# Altium PCB docking_station_with_STLink.PcbDoc
Units mil, origin at the board's own origin, x right, y up, seen from the top; angles counter-clockwise.
Board outline 3937 x 2280 mil, 2 copper layers (Top Layer, Bottom Layer); 53 components, 47 nets, 253 pads, 89 vias.
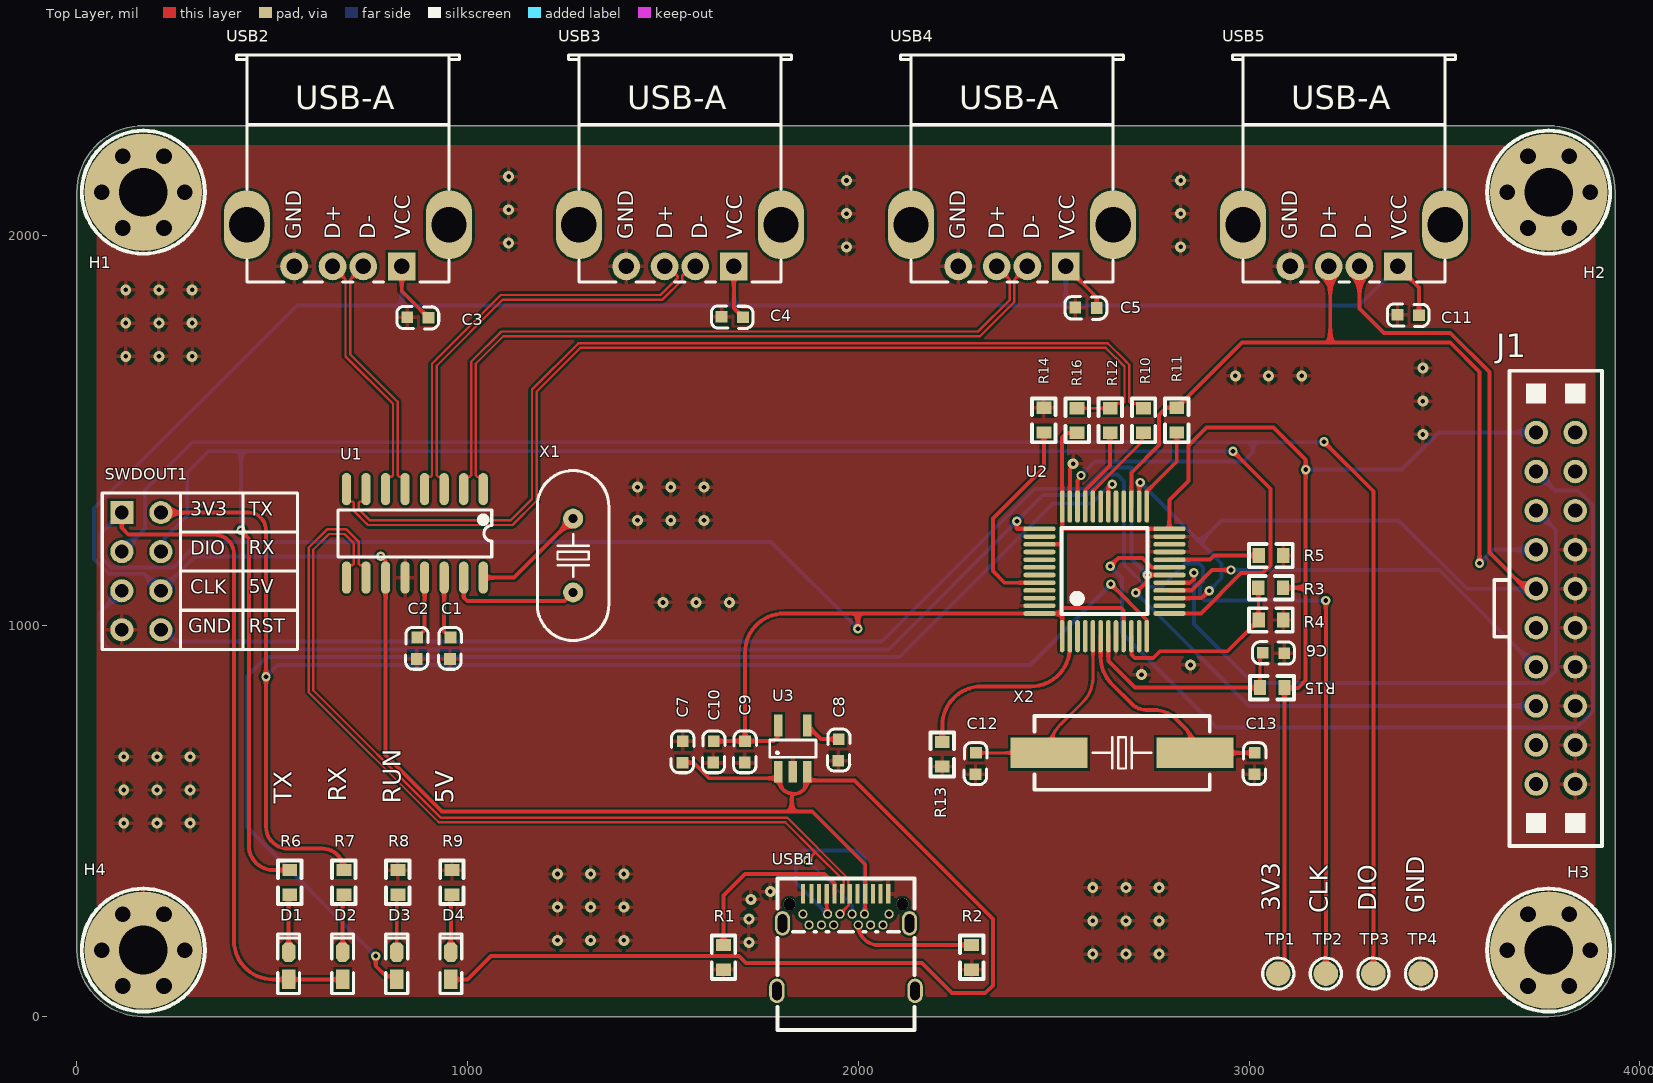
[diagram p0: Top Layer view]
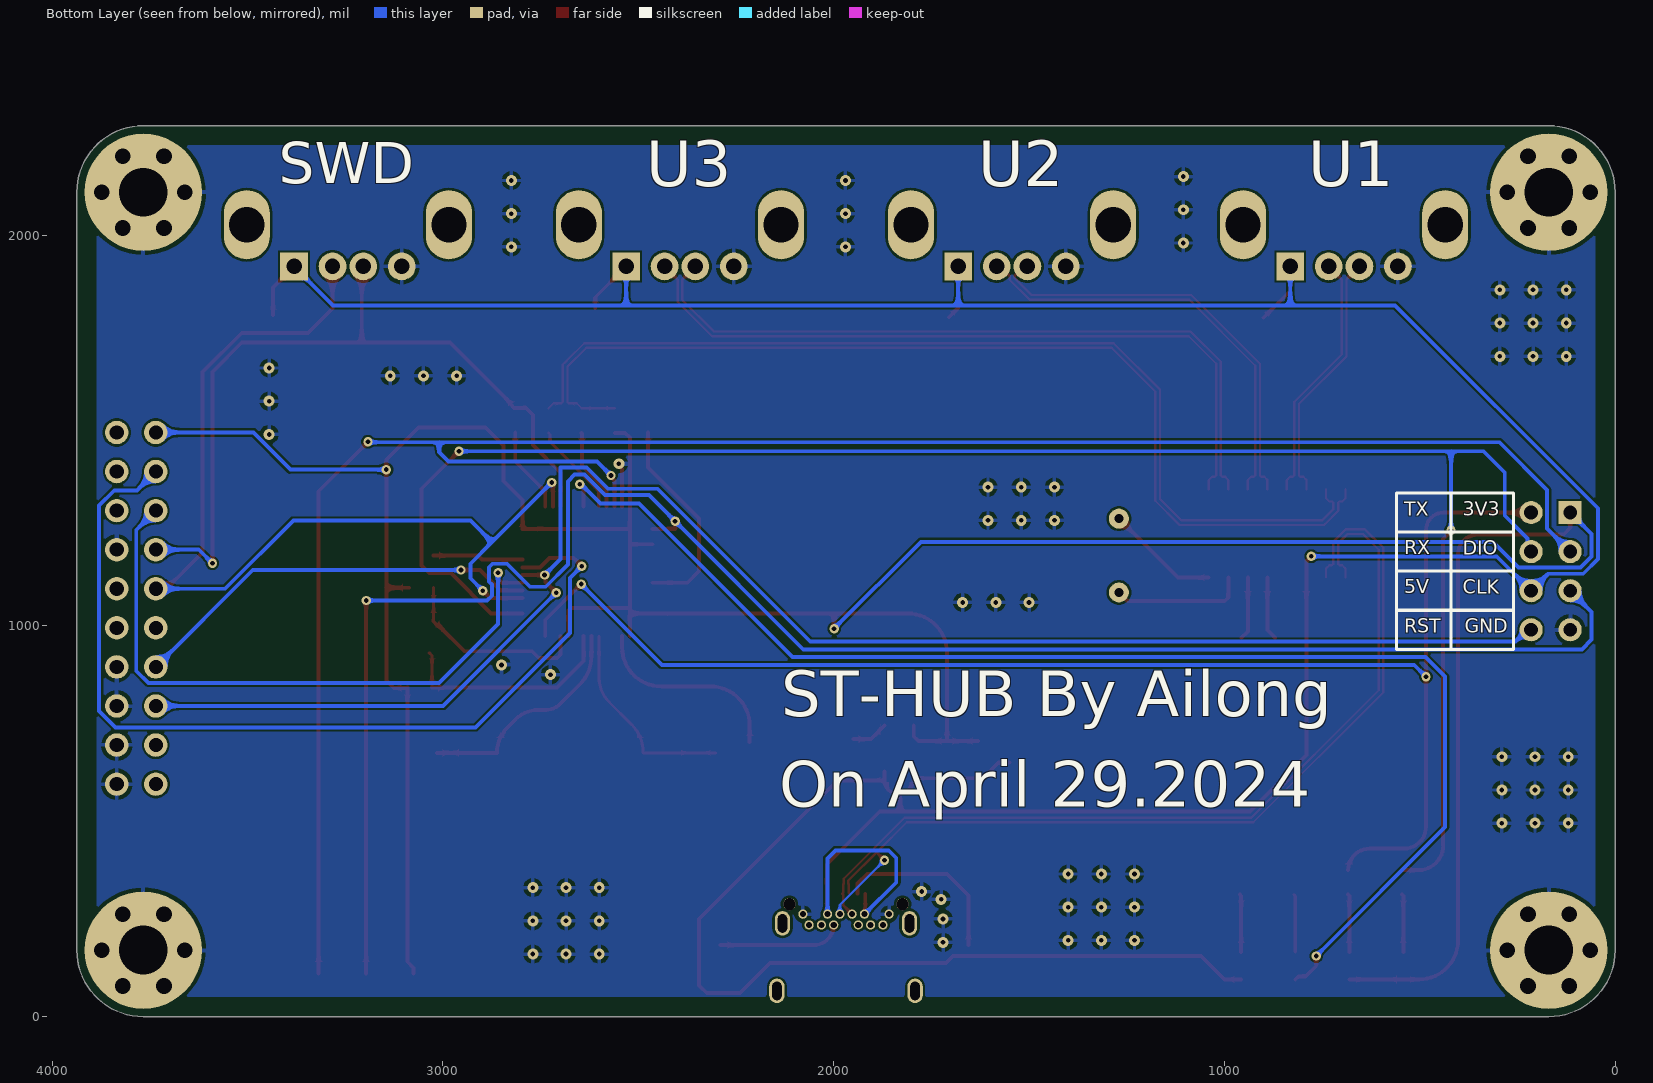
[diagram p1: Bottom Layer view, seen from below]

## Layer stack, top to bottom
Top Solder: solder mask 0.4, Solder Resist, Dk 3.5
Top Layer: signal copper 1.4
Dielectric 1: dielectric 12.6, FR-4, Dk 4.8
Bottom Layer: signal copper 1.4
Bottom Solder: solder mask 0.4, Solder Resist, Dk 3.5

## Board outline
0,170 0,2110 cw(c170,2110) 170,2280 3767,2280 cw(c3767,2110) 3937,2110 3937,170 cw(c3767,170) 3767,0 170,0 cw(c170,170)

## Design rules (kind name [scope] priority, off if disabled: settings)
BoardOutlineClearance [All] p1: gap=10 ignorepadtopadclearanceinfootprint=FALSE except(0: Arc-SplitContinuation Track-SplitContinuation SMDPad-SplitContinuation THPad-SplitContinuation Via-SplitContinuation Fill-SplitContinuation Poly-SplitContinuation Region-SplitContinuation Text-SplitContinuation; 50: Poly-OutlineEdge)
Clearance [All] p1: gap=6 ignorepadtopadclearanceinfootprint=FALSE
DiffPairsRouting [All] p1: maxlimit=10 minlimit=6 mostfreqgap=6 toplayer_minwidth=6 toplayer_maxwidth=6 toplayer_prefwidth=6 bottomlayer_minwidth=6 bottomlayer_maxwidth=6 bottomlayer_prefwidth=6 maxuncoupledlength=500
HoleSize [All] p1: absolutevalues=TRUE maxlimit=1000 minlimit=1 maxpercent=80.000 minpercent=20.000
MinimumSolderMaskSliver [All] p1: minsoldermaskwidth=0
PolygonConnect [All] p1: connectstyle=Relief reliefconductorwidth=10 reliefentries=4 polygonreliefangle="90 Angle" airgapwidth=10
RoutingVias [All] p1: holewidth=12 width=24 viastyle="Through Hole" minholewidth=10 minwidth=20 maxholewidth=28 maxwidth=50
SilkToSolderMaskClearance [IsPad] p1: minsilkscreentomaskgap=3 clearancetoexposedcopper=TRUE
SolderMaskExpansion [All] p1: expansion=4 istentingtop=FALSE
Width [All] p1: maxlimit=50 minlimit=8 preferedwidth=10
26 further rules are at their usual default settings.

## Classes and differential pairs
differential pair USB: +USB_P -USB_N
differential pair UD: +UD_P -UD_N
differential pair D4: +D4_P -D4_N
differential pair D3: +D3_P -D3_N
differential pair D2: +D2_P -D2_N

## Components (designator, comment, footprint, x,y, rotation, side; value= is the part's Value field where it differs from the comment)
C1 "10UF" 0603C 956.35,970.21 r270 top
C2 "10UF" 0603C 871.35,970.21 r270 top
C3 "100NF" 0603C 845,1790 r0 top
C4 "100NF" 0603C 1649.79,1791.35 r0 top
C5 "100NF" 0603C 2555,1815 r0 top
C6 "0.1uF" 0603C 3090.21,929.65 r180 top value=0.1u
C7 "1uF" 0603C 1551.35,705.21 r270 top
C8 "22nF" 0603C 1948.65,654.79 r90 top
C9 "10uF" 0603C 1708.65,649.85 r90 top
C10 "100nF" 0603C 1628.64,649.85 r90 top
C11 "100NF" 0603C 3379.79,1796.35 r0 top
C12 "20PF" 0603C 2301.35,675.21 r270 top
C13 "20PF" 0603C 3015.35,675.21 r270 top
D1 "color?" "LED 0603B" 542.26,130 r90 top
D2 "color?" "LED 0603B" 680.59,130 r90 top
D3 "color?" "LED 0603B" 818.92,130 r90 top
D4 "color?" "LED 0603B" 957.26,130 r90 top
H1 "固定孔" M3x4+6_N 170,2110 r0 top locked
H2 "固定孔" M3x4+6_N 3767,2110 r0 top locked
H3 "固定孔" M3x4+6_N 3767,170 r0 top locked
H4 "固定孔" M3x4+6_N 170,170 r0 top locked
J1 "JTAG" JLINK 3837.21,1045 r90 top
R1 "5.1K" 0603R 1655,182.99 r270 top value=22R
R2 "5.1K" 0603R 2290,182.99 r270 top value=22R
R3 "10K" 0603R 3087,1097.5 r180 top value=22R
R4 "10K" 0603R 3025,1015 r0 top value=22R
R5 "10K" 0603R 3025,1180 r0 top value=22R
R6 "680R" 0603R 545,375 r270 top value=22R
R7 "680R" 0603R 683.33,375 r270 top value=22R
R8 "2K" 0603R 821.67,375 r270 top value=22R
R9 "680R" 0603R 960,375 r270 top value=22R
R10 "22R" 0603R 2730,1557 r270 top
R11 "100R" 0603R 2815,1495 r90 top value=22R
R12 "22R" 0603R 2645,1557 r270 top
R13 "10K" 0603R 2215,640 r90 top value=22R
R14 "10K" 0603R 2475,1495 r90 top value=22R
R15 "10K" 0603R 3028,841.97 r0 top value=22R
R16 "1K5" 0603R 2560,1557 r270 top value=22R
SWDOUT1 "HDR2x4_2.54" "Pin HDR2X4/2.54mm-S" 115,1290 r270 top locked
TP1 "TEST" "TEST 1.6" 3075,110 r0 top
TP2 "TEST" "TEST 1.6" 3196.67,110 r0 top
TP3 "TEST" "TEST 1.6" 3318.33,110 r0 top
TP4 "TEST" "TEST 1.6" 3440,110 r0 top
U1 "SL2.1A" SOP16 1040,1350 r270 top
U2 "STM32F103CBT6" "LQFP48 7X7" 2630,1140 r0 top
U3 "RT9193" SOT23-5 1795,626.89 r0 top
USB1 "Type-C" TYPE-C-SMD_TYPE-C-24P-QCHT 1968.5,160 r0 top locked
USB2 "USB-A" USB-A/S_A 831.46,1920 r90 top
USB3 "USB-A" USB-A/S_A 1681.35,1920 r90 top
USB4 "USB-A" USB-A/S_A 2531.24,1920 r90 top
USB5 "USB-A" USB-A/S_A 3381.13,1920 r90 top
X1 "12MHZ" "OSC HC-49S" 1270,1180 r90 top
X2 "8MHZ" "OSC HC-49SMD" 2675,675 r0 top

## Footprints (in the part's own frame and the unit in brackets; to place one, negate y for a bottom-side part, rotate by r counter-clockwise, add the part's x,y. Pads: shape width x height; smd on the part's side, far side on the other; paste and mask are expansions set on the pad)
0603C [mil]
  rect 30x30 smd: 1(0.21,-0.35) 2(55.21,-1.35)
  silkscreen extent -26,-30 81,28, body extent -1,-15 62,17, height 12
0603R [mm]
  rect 0.8x0.965 smd: 1(0,0) 2(1.6,0)
  silkscreen extent -0.64,-0.76 2.21,0.76, body extent -0.04,-0.41 1.56,0.41, height 0.45
JLINK [mil]
  round 60 hole 36 paste+0 mask+2: 1(450,102.21) 2(450,2.21) 3(350,102.21) 4(350,2.21) 5(250,102.21) 6(250,2.21) 7(150,102.21) 9(50,102.21) 10(50,2.21) 11(-50,102.21) 12(-50,2.21) 13(-150,102.21) 14(-150,2.21) 14(150,2.21) 15(-250,102.21) 16(-250,2.21) 17(-350,102.21) 18(-350,2.21) 19(-450,102.21) 20(-450,2.21)
  silkscreen extent -608,-66 608,210
"LED 0603B" [mil] "蓝色0603LED"
  rect 50x35 smd: 1(-35,0.26)
  oct 50x35 smd: 2(35,0.26)
  silkscreen extent -71,-28 81,28, body extent -31,-16 32,16, height 24
"LQFP48 7X7" [mm]
  oval 0.3x2.1 smd: 1(-2.75,-4.227) 2(-2.25,-4.227) 3(-1.75,-4.227) 4(-1.25,-4.227) 5(-0.75,-4.227) 6(-0.25,-4.227) 7(0.25,-4.227) 8(0.75,-4.227) 9(1.25,-4.227) 10(1.75,-4.227) 11(2.25,-4.227) 12(2.75,-4.227) 25(2.75,4.202) 26(2.25,4.202) 27(1.75,4.202) 28(1.25,4.202) 29(0.75,4.202) 30(0.25,4.202) 31(-0.25,4.202) 32(-0.75,4.202) 33(-1.25,4.202) 34(-1.75,4.202) 35(-2.25,4.202) 36(-2.75,4.202)
  oval 2.1x0.3 smd: 13(4.227,-2.75) 14(4.227,-2.25) 15(4.227,-1.75) 16(4.227,-1.25) 17(4.227,-0.75) 18(4.227,-0.25) 19(4.227,0.25) 20(4.227,0.75) 21(4.227,1.25) 22(4.227,1.75) 23(4.227,2.25) 24(4.227,2.75) 37(-4.227,2.75) 38(-4.227,2.25) 39(-4.227,1.75) 40(-4.227,1.25) 41(-4.227,0.75) 42(-4.227,0.25) 43(-4.227,-0.25) 44(-4.227,-0.75) 45(-4.227,-1.25) 46(-4.227,-1.75) 47(-4.227,-2.25) 48(-4.227,-2.75)
  silkscreen extent -2.79,-2.79 2.79,2.79, body extent -4.51,-4.5 4.5,4.5, height 1.45
M3x4+6_N [mil] "M3铜柱，长：4mm，螺纹长：6mm"
  round 40 hole 40: 1(-106,0) 1(-53,-91.8) 1(-53,91.8) 1(53,-91.8) 1(53,91.8) 1(106,0)
  round 300 hole 125: 1(0,0)
  silkscreen extent -157,-157 157,157, body extent -106,-93 106,93, height 159
"OSC HC-49S" [mm]
  round 1.3 hole 0.6: 1(-2.4,0) 2(2.4,0)
  silkscreen extent -5.52,-2.32 5.52,2.33, body extent -5.53,-2.29 5.53,2.36, height 4.13
"OSC HC-49SMD" [mm]
  rect 5x2 smd: 1(-4.75,0) 2(4.75,0)
  silkscreen extent -5.7,-2.4 5.7,2.4, body extent -6.37,-2.41 6.63,2.24, height 4.63
"Pin HDR2X4/2.54mm-S" [mm] "Connector; Header; 4x2 Position"
  rect 1.5x1.5 hole 0.9: 1(0,0)
  round 1.5 hole 0.9: 2(0,2.54) 3(2.54,0) 4(2.54,2.54) 5(5.08,0) 6(5.08,2.54) 7(7.62,0) 8(7.62,2.54)
  silkscreen extent -1.27,-1.27 8.89,3.81, body extent -1.27,-1.27 8.89,3.81, height 7.58
SOP16 [mm]
  oval 2.1x0.6 smd: 1(0,0) 2(0,-1.27) 3(0,-2.54) 4(0,-3.81) 5(0,-5.08) 6(0,-6.35) 7(0,-7.62) 8(0,-8.89) 9(5.75,-8.89) 10(5.75,-7.62) 11(5.75,-6.35) 12(5.75,-5.08) 13(5.75,-3.81) 14(5.75,-2.54) 15(5.75,-1.27) 16(5.75,0)
  silkscreen extent 1.35,-9.44 4.4,0.56, body extent -0.04,-9.45 5.97,0.56, height 1.9
SOT23-5 [mm]
  rect 0.55x1.4 smd: 1(0,0) 2(0.95,0) 3(1.9,0) 4(1.9,3) 5(0,3)
  silkscreen extent -0.55,0.94 2.45,2.06, body extent -0.55,0.27 2.45,3.08, height 1.15
"TEST 1.6" [mm] "测试点1.6mm"
  round 1.6 smd paste-1.6: 1(0,0)
  silkscreen extent -1.01,-1.02 1.02,1.02
TYPE-C-SMD_TYPE-C-24P-QCHT [mm]
  oval 1x1.6 hole 0.6 slot 1.2 at 90 deg: 25(-4.49,-2.395) 25(-4.13,1.995) 25(4.13,1.995) 25(4.49,-2.395)
  rect 0.275x1.25 smd: A1(-2.79,3.92) A2(-2.25,3.92) A3(-1.75,3.92) A4(-1.25,3.92) A5(-0.75,3.92) A6(-0.25,3.92) A7(0.25,3.92) A8(0.75,3.92) A9(1.25,3.92) A10(1.75,3.92) A11(2.25,3.92) A12(2.75,3.92)
  round 0.6 hole 0.4: B1(2.8,2.595) B2(2.4,1.895) B3(1.6,1.895) B4(1.2,2.595) B5(0.8,1.895) B6(0.4,2.595) B7(-0.4,2.595) B8(-0.8,1.895) B9(-1.2,2.595) B10(-1.6,1.895) B11(-2.4,1.895) B12(-2.8,2.595)
  round 0.8 hole 0.8 unplated: ""(-3.675,3.246) ""(3.675,3.246)
  silkscreen extent -4.46,-4.93 4.46,4.93
USB-A/S_A [mm]
  oval 4.5x3 hole 2.3: 0(2.71,10.07) 0(2.71,-3.07)
  rect 1.8x1.8 hole 1: 1(0,0)
  round 1.8 hole 1: 2(0,2.5) 3(0,4.5) 4(0,7)
  silkscreen extent -1.01,-3.75 13.75,10.75, body extent -0.55,-3.81 13.76,10.87, height 6.8

## Part data
C1 C2 C3 C4 C5 C7 C8 C9 C10 C11 C12 C13: library part CAP, "无极性电容"
C6: library part 电容-0402, "Capacitor"
D1 D2 D3 D4: library part LED_0402, "LED", Type=0402
J1: library part "Pin HDR2X10"
R1 R2 R3 R4 R5 R6 R7 R8 R9 R10 R11 R12 R13 R14 R15 R16: library part 电阻-0402, "Resistor"
SWDOUT1: "Header"
TP1 TP2 TP3 TP4: "测试点", BOM名称=测试点, 联系卖家，免费查找封装=唯一出售店铺网址https://shop463601444.taobao.com
U1: "USB2.0扩展"
U2: "ARM Cortex-M3 32-bit MCU, 128 KB Flash, 20 KB Internal RAM, 37 I/Os, 48-pin LQFP, -40 to 85 degC, Tray", I/Os (High Current)=37, Operating Frequency(F) (Processor speed) (MHz)=72, Supplier Part Number 1=497-6288-ND, Supply Voltage(Vcc) min (V)=2, A/D Converter="2x12-bit (10 Channel)", ComponentLink1Description="Manufacturer URL", ComponentLink1URL=http://www.st.com/web/en/home.html, ComponentLink2Description=Datasheet, ComponentLink2URL=http://www.st.com/st-web-ui/static/active/en/resource/technical/document/datasheet/CD00161566.pdf, ComponentLink3Description="Package Specification", ComponentLink3URL=http://www.st.com/st-web-ui/static/active/en/resource/technical/document/datasheet/DM00058181.pdf, Core="ARM Cortex-M3", DatasheetVersion="Rev. 16", FLASH Size (Prog) (kB)=128, Internal RAM Size (kB)=20, Mounting Technology="Surface Mount", PackageDescription="48-Pin Low Profile Quad Flat Package, 7 x 7 mm Body, 0.5 mm Pitch", PackageReference=LQFP48, PackageVersion="Rev. 6, 06/2013", Packing=Tray, PartNumber=STM32F103CBT6, Supplier 1=Digi-Key, Supplier 2=Farnell, Supplier 3=Newark, Supplier 4=Newark, Supplier 5=Mouser, Supplier Part Number 2=1606327, Supplier Part Number 3=11N8296, Supplier Part Number 4=57P1214, Supplier Part Number 5=511-STM32F103CBT6
U3: library part RT9193X_5P, ICA_MFR_NAME=RICHTEK, ICA_PARTNUM=$$2191094$$RT9193-15CU5, Part Number=TMP-13
USB1: library part USB-Type-C-TOP
X1 X2: library part XTAL-2P, "2脚无源脚晶振"

## Via types
v1: diameter 28, hole 12, Top Layer to Bottom Layer, tented both sides, 67 vias
v2: diameter 24, hole 12, Top Layer to Bottom Layer, tented both sides, 19 vias
v3: diameter 24, hole 12, Top Layer to Bottom Layer, 3 vias

## Nets (pads, with @x,y where several pads share a name; then routed paths per layer and width w, separated by ;. In a path a pad name is that pad's centre, name@x,y a point inside that pad or via, vN(x,y) a via of type N, cw(c..) or ccw(c..) an arc to the next point about the centre after c; other vN are vias at no path point)
3V3: C9.2 C10.2 D1.1 D2.1 J1.1 R3.1 R15.2 R16.2 SWDOUT1.1 TP1.1 U2.1 U2.9 U2.24 U2.36 U2.39 U2.48 U3.5 | length 8967.9
  Top Layer w10: SWDOUT1.1 115,1250 131.53,1233.47 352.53,1233.47 cw(c352.53,1184) 402,1184 402,195 ccw(c502,195) 502,95 D1.1 D2.1 ; C10.2 C9.2 ; U3.5 1795,717.06 1783,705.06 C9.2 ; v2(1999,993) 1999,1031.73 ; U2.39 2520.63,1208.9 2521.73,1210 ; U2.1 2521.73,1031.73 ; 2525,1046 2673,1046 2679.21,1039.79 U2.9 ; 2526,1248.27 U2.24@2796,1248.27 ; R16.2 2534.01,1494.01 2521.73,1481.73 U2.36 2521.73,1210 ; U2.24 U2.24@2796,1248.27 ; TP1.1 3075,124.34 3090.99,140.33 R15.2@3090.99,841 ; R3.1 3145,1097.5 ; R15.2 R15.2@3090.99,841 ; C9.2 1710,931.73 cw(c1810,931.73) 1810,1031.73 1999,1031.73 ; 1999,1031.73 U2.48 2521.73,1031.73 ; 2521.73,1031.73 2521.73,1210 ; U2.24@2796,1248.27 2796,1322 2845,1371 2845,1462 2891,1508 3063,1508 3145,1426 v3(3145,1400) 3145,1097.5 ; R15.2@3090.99,841 3126,841 3145,860 3145,1097.5
  Bottom Layer w10: SWDOUT1.1 60,1235 60,1177.63 88.16,1149.47 247.47,1149.47 313,1215 1777,1215 v2(1999,993) ; v3(3145,1400) 3390.36,1400 3485.36,1495 J1.1
+5: C3.2 C4.2 C5.2 C7.2 C11.2 D4.1 SWDOUT1.6 U1.11 U3.1 U3.3 USB1.A4 USB1.A9 USB1.B4 USB1.B9 USB2.1 USB3.1 USB4.1 USB5.1 | length 10679.1
  Top Layer w8: USB1.A4 1919.28,264.15 USB1.B9 ; USB1.B4 2017.71,264.14 USB1.A9
  Top Layer w10: v2(778,1178) 790,1166 U1.11 790,670 935,525 1830,525 ; USB2.1 831.46,1857.4 C3.2 ; D4.1 1000,95 1060,155 1695,155 1712.5,137.5 2162.5,137.5 2240,60 2325,60 2345,80 2345,250 1990.67,604.33 1875.63,604.33 U3.3@1869.8,610.16 ; C7.2 1578,650 1618,610 U3.1@1795,610 ; USB3.1 1681.35,1813.65 C4.2 ; U3.1 U3.1@1795,610 ; U3.3 U3.3@1869.8,610.16 ; USB1.A9 2017.71,389.44 1882.16,525 1830,525 ; USB4.1 2610.21,1841.03 C5.2 ; USB5.1 3435,1866.13 C11.2 ; U3.1@1795,610 ccw(c1835,610) 1835,570 ; 1830,525 1830,565 cw(c1835,565) 1835,570 ; 1835,570 ccw(c1835,604.8) 1869.8,604.8 U3.3@1869.8,610.16
  Bottom Layer w10: v2(778,1178) 303,1178 SWDOUT1.6 171.53,1133.47 81.53,1133.47 44,1171 44,1301 563,1820 831.46,1820 ; USB2.1 831.46,1820 ; USB3.1 1681.35,1820 ; USB1.B9 1840,343.43 1840,406 1859,425 1995,425 2015.74,404.26 USB1.B4 ; USB4.1@2531.24,1915 2531.24,1820 ; USB5.1 3281.13,1820 2531.24,1820 ; 831.46,1820 1681.35,1820 ; 1681.35,1820 2531.24,1820
D2_N: U1.5 USB2.2 | length 646.3
  Top Layer w6: USB2.2 699.66,1886.63 699.66,1694.64 821,1573.3 821,1384.99 824.51,1381.47 831.86,1381.47 840,1373.33 U1.5
D2_P: U1.6 USB2.3 | length 646.3
  Top Layer w6: USB2.3 687.66,1886.63 687.66,1689.67 809,1568.33 809,1384.99 805.49,1381.47 798.14,1381.47 790,1373.33 U1.6
D3_N: U1.3 USB3.2 | length 1101.1
  Top Layer w6: U1.3 940,1373.33 931.86,1381.47 924.51,1381.47 921,1384.99 921,1666.03 1089.97,1835 1498.99,1835 1549.55,1885.56 1549.55,1895.5 1574.05,1920 USB3.2
D3_P: U1.4 USB3.3 | length 1101.1
  Top Layer w6: U1.4 890,1373.33 898.14,1381.47 905.49,1381.47 909,1384.99 909,1671 1085,1847 1494.02,1847 1537.55,1890.53 1537.55,1895.5 1513.06,1920 USB3.3
D4_N: U1.1 USB4.2 | length 1881.6
  Top Layer w6: U1.1 1040,1373.33 1031.86,1381.47 1024.51,1381.47 1021,1384.99 1021,1671.03 1091.49,1741.51 2311.51,1741.51 2399.45,1829.45 2399.45,1886.63 USB4.2
D4_P: U1.2 USB4.3 | length 1881.6
  Top Layer w6: U1.2 990,1373.33 998.14,1381.47 1005.49,1381.47 1009,1384.99 1009,1676 1086.51,1753.51 2306.54,1753.51 2387.45,1834.42 2387.45,1886.63 USB4.3
GND: C1.2 C2.2 C3.1 C4.1 C5.1 C6.1 C7.1 C8.1 C9.1 C10.1 C11.1 C12.2 C13.2 H1.1 H2.1 H3.1 H4.1 J1.10 J1.12 J1.14 J1.16 J1.18 J1.20 R1.2 R2.2 R4.2 R5.2 R8.1 R9.1 R13.1 R14.2 SWDOUT1.7 TP4.1 U1.12 U2.8 U2.21 U2.23 U2.35 U2.47 U3.2 USB1.A1 USB1.A12 USB1.B1 USB1.B12 USB2.4 USB3.4 USB4.4 USB5.4 | length 113.1
  Top Layer w10: U2.35 2541.42,1401.55 2550,1410.13 v1(2550,1415)
  other v1: 2600,160 2685,160 2770,160 1720,190 1230,195 1315,195 1400,195 2600,245 2685,245 2770,245 1720,250 1230,280 1315,280 1400,280 1725,300 1775,320 2600,330 2685,330 2770,330 1230,365 1315,365 1400,365 120,495 205,495 290,495 120,580 205,580 290,580 120,665 205,665 290,665 2725,875 2850,900 1500,1060 1585,1060 1670,1060 1435,1270 1520,1270 1605,1270 1435,1355 1520,1355 1605,1355 3445,1490 3445,1575 2965,1640 3050,1640 3135,1640 3445,1660 125,1690 210,1690 295,1690 125,1775 210,1775 295,1775 125,1860 210,1860 295,1860 1970,1970 2825,1970 1105,1980 1970,2055 2825,2055 1105,2065 1970,2140 2825,2140 1105,2150
JTCK: J1.9 U2.15 U2.26 USB5.2 | length 2612.5
  Top Layer w10: U2.26 2718.58,1363.58 v2(2722,1367) ; U2.15 2879.1,1071.1 v2(2898,1090) ; USB5.2 3282.71,1812.29 3345,1750 3515,1750 3615,1650 3615,1187.79 J1.9@3712.79,1090
  Bottom Layer w10: v2(2722,1367) 2874.5,1214.5 ; v2(2898,1090) 2930,1122 2930,1159 2874.5,1214.5 ; J1.9 3557.63,1095 3382.63,1270 2930,1270 2874.5,1214.5
JTDI: J1.5 U2.17 | length 1645.6
  Top Layer w10: U2.17 2849.47,1110.47 2859,1120 v2(2859,1136)
  Bottom Layer w10: v2(2859,1136) 2859,1005 3010,854 3754,854 3785,885 3785,1245 J1.5
JTDO: J1.13 U2.16 | length 1062.9
  Top Layer w10: U2.16 2852.79,1090.79 2905,1143 v2(2954,1143)
  Bottom Layer w10: v2(2954,1143) 3487,1143 J1.13
JTMS: J1.7 R11.2 U2.27 USB5.3 | length 2039.8
  Top Layer w10: U2.27 2698.9,1391.85 2770,1462.95 2770,1540 2787.99,1557.99 2818.25,1557.99 2829,1568.74 2829,1571.99 2982.01,1725 3207.94,1725 ; USB5.3 3207.94,1916.03 3207.94,1725 ; v3(3590,1160) 3590,1650 3515,1725 3207.94,1725
  Bottom Layer w10: v3(3590,1160) 3625,1195 J1.7
LED_RUN: D3.1 U2.30 | length 3427.8
  Top Layer w10: v2(765,155) 765,130 792.02,102.98 810.69,102.98 D3.1 ; U2.30 2639.84,1355.84 2646.85,1362.85 v2(2650.18,1362.85)
  Bottom Layer w10: v2(765,155) 435,485 435,870 485,920 2105,920 2498,1313 2597,1313 2646.85,1362.85 v2(2650.18,1362.85)
NetC1_1: C1.1 U1.14 | length 160.2
  Top Layer w10: U1.14 940,986 C1.1
NetC2_1: C2.1 U1.13 | length 161.5
  Top Layer w10: C2.1 890,989 U1.13
NetC6_2: C6.2 R15.1 U2.7 | length 571.8
  Top Layer w8: R15.1 3028,924 C6.2
  Top Layer w10: U2.7 2639.84,910.16 2708.03,841.97 R15.1
NetC8_2: C8.2 U3.4 | length 94.7
  Top Layer w10: U3.4 1904.8,710 C8.2
NetC12_1: C12.1 U2.5 X2.1 | length 524.1
  Top Layer w8: C12.1 X2.1 2487.99,676.57 cw(c2587.99,676.57) 2517.28,747.28 2575,805 ccw(c2513.51,866.49) 2600.47,866.49 U2.5
NetC13_1: C13.1 U2.6 X2.2 | length 581.6
  Top Layer w10: U2.6 2620.16,921.26 ccw(c2720.16,921.26) 2649.45,850.55 2700,800 ccw(c2736.21,836.21) 2736.21,785 2755,785 cw(c2755,700.5) 2814.75,760.25 2835.14,739.86 cw(c2770.28,675) X2.2 C13.1
NetD1_2: D1.2 R6.2 | length 148.2
  Top Layer w10: D1.2 542,309.01 R6.2
NetD2_2: D2.2 R7.2 | length 148.2
  Top Layer w10: D2.2 680.33,309.01 R7.2
NetD3_2: D3.2 R8.2 | length 148.2
  Top Layer w8: D3.2 818.67,309.01 R8.2
NetD4_2: D4.2 R9.2 | length 148.2
  Top Layer w10: D4.2 957,309.01 R9.2
NetR1_1: R1.1 USB1.A5 | length 469.9
  Top Layer w10: R1.1 1655,310 1710,365 1914.19,365 1938.56,340.63 1938.56,314.74 USB1.A5
NetR2_1: R2.1 USB1.B5 | length 319.5
  Top Layer w10: USB1.B5 ccw(c2051.62,234.61) 2051.62,182.99 R2.1
NetR3_2: R3.2 R4.1 U2.10 | length 501.6
  Top Layer w8: R3.2 3024.01,1015.99 R4.1
  Top Layer w10: U2.10 2698.9,926.62 2707.51,918 2755,918 2772,935 2945,935 3011,1001 3014.25,1001 3025,1011.75 R4.1
NetR5_1: R5.1 U2.20 | length 232.9
  Top Layer w10: U2.20 2900.53,1169.53 2911,1180 R5.1
NetR10_2: R10.2 U2.32 | length 242.2
  Top Layer w8: U2.32 2601.2,1306.15 2601.2,1346.2 2725.95,1470.95 2725.95,1489.95 R10.2
NetR11_1: R11.1 U2.25 | length 221.4
  Top Layer w10: U2.25 2738.27,1344.4 2815,1421.13 R11.1
NetR12_2: R12.2 U2.33 | length 215.2
  Top Layer w10: U2.33 2581.13,1305.76 2581.13,1347.35 2644.12,1410.33 2644.12,1493.13 R12.2
NetR13_2: R13.2 U2.2 | length 511.2
  Top Layer w10: R13.2 2215,745 cw(c2315,745) 2315,845 2441.42,845 ccw(c2441.42,945) 2539.12,923.71 ccw(c2441.42,945) 2541.42,945 U2.2
NetR14_1: R14.1 U2.44 | length 539.7
  Top Layer w10: U2.44 2374.53,1110.47 2345,1140 2345,1275 2475,1405 R14.1
NetU1_15: U1.15 X1.1 | length 343.3
  Top Layer w10: U1.15 990,1073 999,1064 1248.49,1064 X1.1
NetU1_16: U1.16 X1.2 | length 292.5
  Top Layer w10: U1.16 1119.13,1123.62 X1.2
nRST: J1.15 SWDOUT1.8 U2.18 | length 4231.7
  Top Layer w10: v3(2710,1085) 2737.32,1112.32 2737.32,1127.48 v2(2740,1130.16) U2.18
  Bottom Layer w10: SWDOUT1.8 224.69,990 254.69,960 2060,960 2451,1351 2578,1351 2632,1405 2699,1405 2699,1171.16 v2(2740,1130.16) ; v3(2710,1085) 3000,795 J1.15
RENUMn: U2.38
RX: R6.1 SWDOUT1.4 U2.13 | length 4728.6
  Top Layer w10: v2@419,1244 440,1223 440,438 ccw(c503,438) 503,375 R6.1 ; U2.13 2876.73,1031.73 2980,1135 3035,1135 3055,1155 3055,1351 v2(2959,1447)
  Bottom Layer w10: SWDOUT1.4 223.99,1198.99 223.99,1223.99 282.5,1282.5 282.5,1392.5 337,1447 420,1447 ; v2(420,1245) 420,1447 ; v2(2959,1447) 420,1447
ST_SWCLK: SWDOUT1.5 TP2.1 U2.37 | length 4871.7
  Top Layer w10: v2(2406,1268) 2406,1248.27 U2.37 ; TP2.1 v2(3196.67,1065)
  Bottom Layer w10: SWDOUT1.5 60,1035 60,965 85,940 2078,940 v2(2406,1268) 2472.5,1334.5 2585.5,1334.5 2638,1387 2663,1387 2680,1370 2680,1157.13 2736.98,1100.16 2777.16,1100.16 2836,1159 2873,1159 2882,1150 2882,1113 2875,1106 2875,1077 2887,1065 v2(3196.67,1065)
ST_SWDIO: SWDOUT1.3 TP3.1 U2.34 | length 5237.4
  Top Layer w10: U2.34 2561.1,1372.31 2570,1381.21 v2(2570,1385) ; v2(3192,1471) 3318.33,1344.67 TP3.1
  Bottom Layer w10: SWDOUT1.3 174,1249 174,1348 296,1470 3010,1470 ; v2(2570,1385) 2606,1421 2986,1421 3010,1445 3010,1470 ; v2@3192,1470 3010,1470
T_SWO: U2.31
TRST: J1.3 U2.19 | length 2383.3
  Top Layer w10: v2(2644.84,1153) 2665.84,1174 2727.84,1174 2752,1149.84 U2.19
  Bottom Layer w10: v2(2644.84,1153) 2675.13,1122.71 2675.13,982 2917.13,740 3837.98,740 3880,782.02 3880,1307.98 3841.27,1346.71 3783.29,1346.71 J1.3
TX: R7.1 SWDOUT1.2 U2.12 | length 3748.3
  Top Layer w10: SWDOUT1.2 439,1290 cw(c439,1245) 484,1245 v2(484,870) 484,486 ccw(c540,486) 540,430 628.33,430 cw(c628.33,375) R7.1 ; v2(2646.27,1107) 2738.27,1015 U2.12
  Bottom Layer w10: v2(484,870) 514,900 2439.27,900 v2(2646.27,1107)
UD_N: U1.9 USB1.A7 USB1.B7 | length 2262.1
  Top Layer w6: U1.9 690,1146.96 698.14,1155.1 705.49,1155.1 709,1158.61 709,1211 685,1235 645,1235 605,1195 605,835.2 930.98,509.23 1818.18,509.23 1974.5,352.91 1974.5,339.45 1975.93,338.02 1975.93,316.74 USB1.A7 1975.93,311.92 1975.93,285.34 USB1.B7
UD_P: U1.10 USB1.A6 USB1.B6 | length 2454.2
  Top Layer w6: U1.10 740,1146.96 731.86,1155.1 724.51,1155.1 721,1158.61 721,1215.97 689.97,1247 640.03,1247 593,1199.97 593,830.23 926.01,497.23 1813.21,497.23 1887.85,422.58 ; v2(1870,400) 1887.85,417.85 1887.85,422.58 ; USB1.A6 1961.07,316.74 1961.07,338.02 1962.5,339.45 1962.5,347.94 1887.85,422.58
  Bottom Layer w6: v2(1870,400) 1984.25,285.75 USB1.B6
USB_N: R10.1 U1.7 | length 2560.8
  Top Layer w6: U1.7 740,1326.67 731.86,1318.53 724.51,1318.53 721,1315.01 721,1299 750,1270 1110,1270 1165,1325 1165,1605 1283.51,1723.51 2638.46,1723.51 2683.49,1678.49 2686.47,1675.5 2693.5,1668.47 2693.5,1573.26 2697.01,1569.75 2717.25,1569.75 R10.1
USB_P: R12.1 R16.1 U1.8 | length 2645.8
  Top Layer w6: U1.8 690,1326.67 698.14,1318.53 705.49,1318.53 709,1315.01 709,1294.03 741.51,1261.51 745.03,1258 1114.97,1258 1177,1320.03 1177,1600.03 1288.49,1711.51 2633.49,1711.51 2681.5,1663.5 2681.5,1573.26 2677.99,1569.75 2657.75,1569.75 R12.1 R16.1
pads on no net: J1.2 J1.4 J1.6 J1.11 J1.17 J1.19 U2.3 U2.4 U2.11 U2.14 U2.22 U2.28 U2.29 U2.40 U2.41 U2.42 U2.43 U2.45 U2.46 USB1. USB1.25 USB1.A2 USB1.A3 USB1.A8 USB1.A10 USB1.A11 USB1.B2 USB1.B3 USB1.B8 USB1.B10 USB1.B11 USB2.0 USB3.0 USB4.0 USB5.0

## Polygon pours and split planes (outlines as drawn)
GND on Bottom Layer "GND_L02_P002" (solid, remove dead copper, pour order 2): 0,170 0,2110 cw(c170,2110) 170,2280 3767,2280 cw(c3767,2110) 3937,2110 3937,170 cw(c3767,170) 3767,0 170,0 cw(c170,170)
GND on Top Layer "GND_L01_P001" (solid, remove dead copper, pour order 1): 0,170 0,2110 cw(c170,2110) 170,2280 3767,2280 cw(c3767,2110) 3937,2110 3937,170 cw(c3767,170) 3767,0 170,0 cw(c170,170)

## Silkscreen, mask and mechanical layers (free items; w line width, h text height)
Top Overlay:
  lines w8: 265,940 565,940 565,1340 265,1340 ; 265,1040 560,1040 ; 265,1140 565,1140 ; 265,1240 565,1240 ; 425,940 425,1340
  text "3V3" at 290,1270.67 h60
  text "TX" at 440,1270.83 h60
  text "DIO" at 290,1170.67 h60
  text "RX" at 440,1171.44 h60
  text "CLK" at 290,1070.67 h60
  text "5V" at 440,1071.39 h60
  text "GND" at 285,970.67 h60
  text "RST" at 440,970.67 h60
  text "RX" at 705,550 h80 r90
  text "TX" at 565,545 h80 r90
  text "RUN" at 844.11,545 h80 r90
  text "5V" at 979.11,545 h80 r90
  text "3V3" at 3094.11,270 h80 r90
  text "DIO" at 3340.78,270 h80 r90
  text "CLK" at 3217.45,265 h80 r90
  text "GND" at 3464.11,265 h80 r90
Bottom Overlay:
  lines w8: 260,1040 555,1040 ; 260,1140 560,1140 ; 260,1240 560,1240 ; 420,940 420,1340 ; 260,940 260,1340 560,1340 560,940 260,940
  text "SWD" at 3420,2098.58 h180
  text "U1" at 785,2087.22 h200
  text "U2" at 1630,2087.22 h200
  text "U3" at 2480,2087.22 h200
  text "3V3" at 390,1270.67 h60
  text "TX" at 540,1270.83 h60
  text "DIO" at 390,1170.67 h60
  text "RX" at 540,1171.44 h60
  text "CLK" at 390,1070.67 h60
  text "5V" at 540,1071.39 h60
  text "GND" at 385,970.67 h60
  text "RST" at 540,970.67 h60
  text "ST-HUB By Ailong" at 2134.81,730.17 h200
  text "On April 29.2024" at 2139.81,499.24 h200
Mechanical 1:
  lines w10: 0,170 ccw(c170,170) 170,0 3767,0 ccw(c3767,170) 3937,170 3937,2110 ccw(c3767,2110) 3767,2280 170,2280 ccw(c170,2110) 0,2110 0,170
  lines w47.24: 0,170 ccw(c170,170) 170,0 3767,0 ccw(c3767,170) 3937,170 3937,2110 ccw(c3767,2110) 3767,2280 170,2280 ccw(c170,2110) 0,2110 0,170

## Text inside footprints (layer, text, board x,y; h text height)
USB2: Top Overlay "VCC" at 853.66,1990 h40 r90; Top Overlay "D-" at 763.66,1990 h40 r90; Top Overlay "D+" at 673.66,1990 h40 r90; Top Overlay "GND" at 573.66,1990 h40 r90
USB3: Top Overlay "VCC" at 1703.55,1990 h40 r90; Top Overlay "D-" at 1613.55,1990 h40 r90; Top Overlay "D+" at 1523.55,1990 h40 r90; Top Overlay "GND" at 1423.55,1990 h40 r90
USB4: Top Overlay "VCC" at 2553.45,1990 h40 r90; Top Overlay "D-" at 2463.45,1990 h40 r90; Top Overlay "D+" at 2373.45,1990 h40 r90; Top Overlay "GND" at 2273.45,1990 h40 r90
USB5: Top Overlay "VCC" at 3403.34,1990 h40 r90; Top Overlay "D-" at 3313.34,1990 h40 r90; Top Overlay "D+" at 3223.34,1990 h40 r90; Top Overlay "GND" at 3123.34,1990 h40 r90